# KiCad board Soft_Power_Switch_panelized.kicad_pcb (continued)
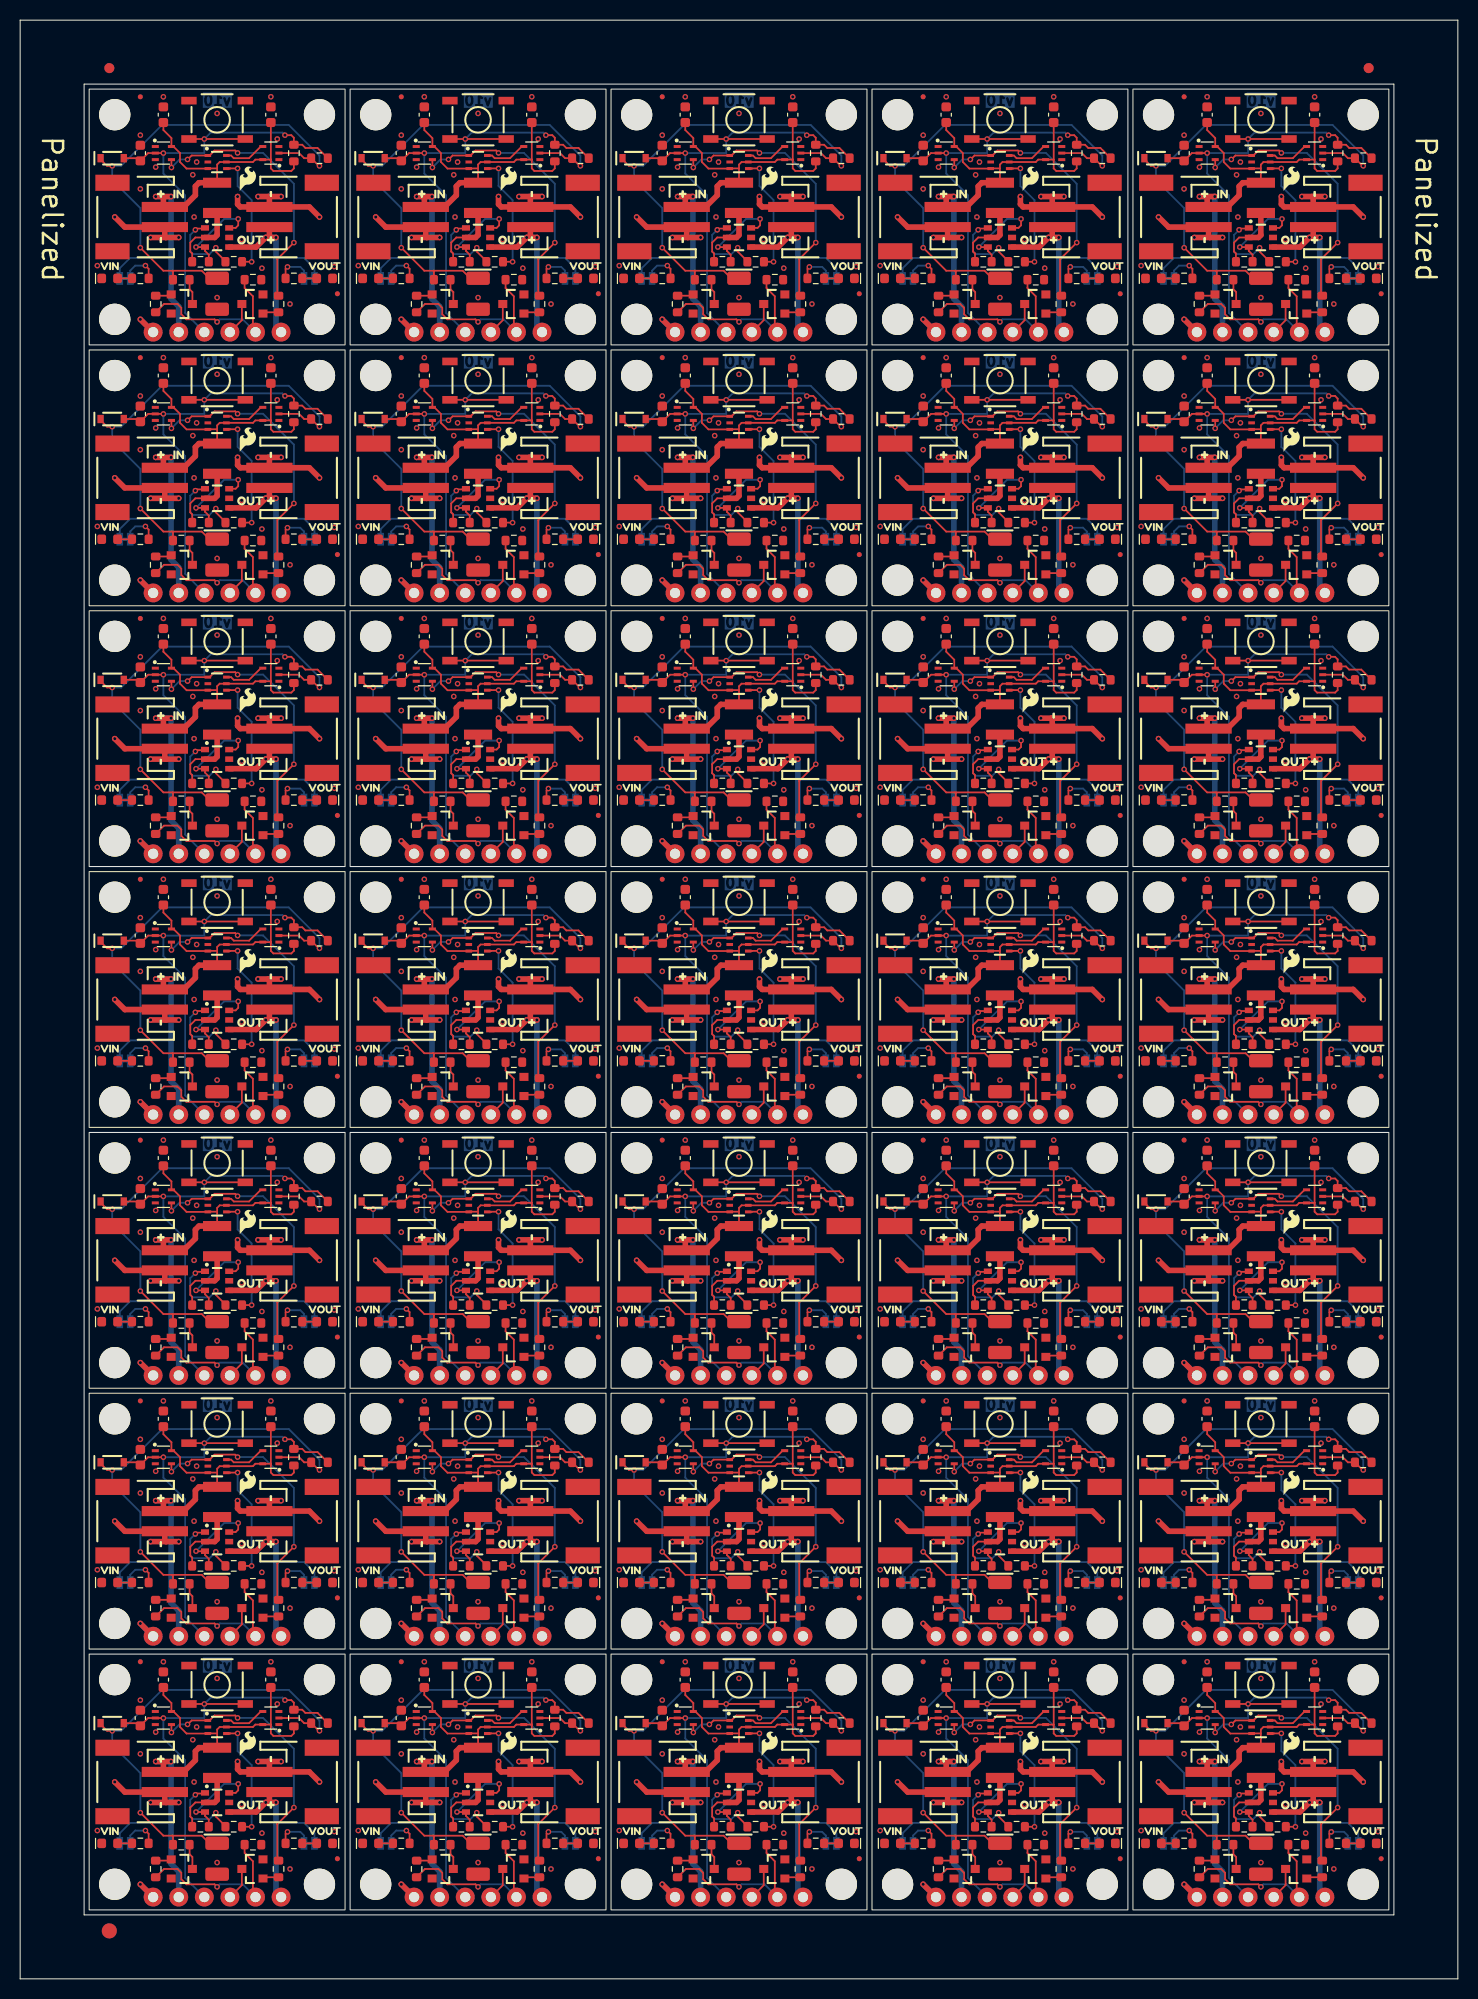
[diagram p0: board, top side]
## Routing (per net, layer and track width the routed paths; a pad name or vN(x,y) marks a point on that pad's centre or on a via; arc(x,y) is an arc through that point) (continued)
Net-(JP2-A): length 132.6
  Top w0.178: v1(104.24,92.3) 104.04,92.11 104.04,91.15 ; R4#27.1 52.25,92.11 v1(52.44,92.3) ; v1(104.24,144.1) 104.04,143.91 104.04,142.95 ; R4#15.1 26.34,66.21 v1(26.53,66.4) ; v1(130.13,170) 129.94,169.81 129.94,168.85 ; R4#26.1 26.34,40.31 v1(26.53,40.5) ; 129.94,65.25 129.94,66.21 v1(130.13,66.4) ; v1(26.53,144.1) 26.34,143.91 R4#9.1 ; v1(52.44,40.5) 52.25,40.31 R4#35.1 ; R4#5.1 26.34,169.81 v1(26.53,170) ; R4#21.1 78.15,14.41 v1(78.34,14.6) ; v1(78.34,170) 78.15,169.81 R4#13.1 ; v1(104.24,14.6) 104.04,14.41 104.04,13.45 ; v1(130.13,92.3) 129.94,92.11 129.94,91.15 ; v1(104.24,66.4) 104.04,66.21 104.04,65.25 ; R4#7.1 78.15,40.31 v1(78.34,40.5) ; R4#34.1 26.34,92.11 v1(26.53,92.3) ; v1(52.44,14.6) 52.25,14.41 R4#18.1 ; 129.94,39.35 129.94,40.31 v1(130.13,40.5) ; v1(52.44,66.4) 52.25,66.21 R4#10.1 ; v1(104.24,40.5) 104.04,40.31 104.04,39.35 ; v1(52.44,118.2) 52.25,118.01 R4#20.1 ; v1(78.34,118.2) 78.15,118.01 R4.1 ; v1(26.53,14.6) 26.34,14.41 R4#6.1 ; v1(130.13,14.6) 129.94,14.41 129.94,13.45 ; 129.94,117.05 129.94,118.01 v1(130.13,118.2) ; v1(52.44,170) 52.25,169.81 R4#19.1 ; 104.04,168.85 104.04,169.81 v1(104.24,170) ; v1(78.34,144.1) 78.15,143.91 R4#3.1 ; 104.04,117.05 104.04,118.01 v1(104.24,118.2) ; v1(52.44,144.1) 52.25,143.91 R4#12.1 ; R4#8.1 78.15,66.21 v1(78.34,66.4) ; v1(26.53,118.2) 26.34,118.01 R4#31.1 ; v1(78.34,92.3) 78.15,92.11 R4#30.1 ; v1(130.13,144.1) 129.94,143.91 129.94,142.95
  Bottom w0.178: JP2#25.1 54.07,169.63 53.71,170 v1(52.44,170) ; JP2#28.1 131.77,40.13 131.41,40.5 v1(130.13,40.5) ; JP2#23.1 131.77,143.73 131.41,144.1 v1(130.13,144.1) ; v1(26.53,170) 27.81,170 28.17,169.63 JP2#19.1 ; JP2#12.1 105.87,91.93 105.5,92.3 v1(104.24,92.3) ; v1(52.44,40.5) 53.71,40.5 54.07,40.13 JP2.1 ; v1(52.44,66.4) 53.71,66.4 54.07,66.03 JP2#7.1 ; JP2#29.1 105.87,40.13 105.5,40.5 v1(104.24,40.5) ; v1(78.34,40.5) 79.6,40.5 79.97,40.13 JP2#32.1 ; v1(130.13,170) 131.41,170 131.77,169.63 JP2#6.1 ; v1(78.34,144.1) 79.6,144.1 79.97,143.73 JP2#27.1 ; JP2#11.1 105.87,143.73 105.5,144.1 v1(104.24,144.1) ; JP2#21.1 105.87,117.83 105.5,118.2 v1(104.24,118.2) ; JP2#22.1 79.97,91.93 79.6,92.3 v1(78.34,92.3) ; v1(52.44,92.3) 53.71,92.3 54.07,91.93 JP2#26.1 ; JP2#34.1 105.87,14.23 105.5,14.6 v1(104.24,14.6) ; JP2#9.1 79.97,117.83 79.6,118.2 v1(78.34,118.2) ; JP2#17.1 54.07,117.83 53.71,118.2 v1(52.44,118.2) ; JP2#13.1 131.77,14.23 131.41,14.6 v1(130.13,14.6) ; JP2#3.1 28.17,143.73 27.81,144.1 v1(26.53,144.1) ; JP2#20.1 54.07,14.23 53.71,14.6 v1(52.44,14.6) ; v1(130.13,92.3) 131.41,92.3 131.77,91.93 JP2#24.1 ; JP2#4.1 105.87,66.03 105.5,66.4 v1(104.24,66.4) ; JP2#18.1 79.97,14.23 79.6,14.6 v1(78.34,14.6) ; v1(104.24,170) 105.5,170 105.87,169.63 JP2#31.1 ; JP2#2.1 28.17,66.03 27.81,66.4 v1(26.53,66.4) ; v1(52.44,144.1) 53.71,144.1 54.07,143.73 JP2#8.1 ; JP2#16.1 28.17,40.13 27.81,40.5 v1(26.53,40.5) ; v1(130.13,118.2) 131.41,118.2 131.77,117.83 JP2#33.1 ; v1(26.53,92.3) 27.81,92.3 28.17,91.93 JP2#30.1 ; v1(130.13,66.4) 131.41,66.4 131.77,66.03 JP2#10.1 ; JP2#14.1 28.17,14.23 27.81,14.6 v1(26.53,14.6) ; v1(78.34,66.4) 79.6,66.4 79.97,66.03 JP2#5.1 ; JP2#15.1 28.17,117.83 27.81,118.2 v1(26.53,118.2) ; v1(78.34,170) 79.6,170 79.97,169.63 JP2#35.1
Net-(Q1-D): length 88.4
  Top w0.178: Q1#14.3 42.99,115.7 42.72,115.97 R5#4.2 ; Q1#35.3 94.79,115.7 94.52,115.97 94.52,116.93 ; R5#17.2 42.72,90.08 42.99,89.8 Q1.3 ; 94.52,168.73 94.52,167.78 94.79,167.5 Q1#33.3 ; Q1#32.3 94.79,89.8 94.52,90.08 94.52,91.03 ; R5#13.2 16.82,12.38 17.09,12.1 Q1#15.3 ; R5#10.2 42.72,64.17 42.99,63.9 Q1#34.3 ; R5#31.2 42.72,38.28 42.99,38 Q1#26.3 ; 120.42,168.73 120.42,167.78 120.69,167.5 Q1#16.3 ; Q1#21.3 17.09,89.8 16.82,90.08 R5#19.2 ; Q1#22.3 42.99,12.1 42.72,12.38 R5#5.2 ; Q1#28.3 120.69,12.1 120.42,12.38 120.42,13.33 ; 94.52,39.23 94.52,38.28 94.79,38 Q1#5.3 ; R5#28.2 16.82,115.97 17.09,115.7 Q1#17.3 ; Q1#3.3 68.89,12.1 68.62,12.38 R5#34.2 ; 94.52,142.83 94.52,141.88 94.79,141.6 Q1#25.3 ; R5#18.2 16.82,64.17 17.09,63.9 Q1#12.3 ; Q1#30.3 68.89,167.5 68.62,167.78 R5#33.2 ; 120.42,91.03 120.42,90.08 120.69,89.8 Q1#2.3 ; R5#16.2 16.82,167.78 17.09,167.5 Q1#7.3 ; Q1#8.3 68.89,63.9 68.62,64.17 R5#2.2 ; Q1#18.3 94.79,12.1 94.52,12.38 94.52,13.33 ; R5#22.2 42.72,167.78 42.99,167.5 Q1#4.3 ; Q1#24.3 120.69,38 120.42,38.28 120.42,39.23 ; 120.42,65.13 120.42,64.17 120.69,63.9 Q1#13.3 ; R5#29.2 16.82,141.88 17.09,141.6 Q1#6.3 ; 120.42,116.93 120.42,115.97 120.69,115.7 Q1#29.3 ; Q1#27.3 120.69,141.6 120.42,141.88 120.42,142.83 ; Q1#20.3 68.89,141.6 68.62,141.88 R5#25.2 ; Q1#23.3 17.09,38 16.82,38.28 R5.2 ; Q1#19.3 94.79,63.9 94.52,64.17 94.52,65.13 ; R5#30.2 42.72,141.88 42.99,141.6 Q1#11.3 ; R5#26.2 68.62,115.97 68.89,115.7 Q1#10.3 ; Q1#31.3 68.89,38 68.62,38.28 R5#3.2 ; R5#24.2 68.62,90.08 68.89,89.8 Q1#9.3
Net-(Q1-G): length 55.7
  Top w0.178: Q1#13.1 118.47,63.54 R6#9.1 ; Q1#22.1 40.77,11.74 R6#8.1 ; Q1#9.1 66.67,89.44 65.25,89.44 ; Q1#17.1 14.87,115.34 R6#12.1 ; Q1#28.1 118.47,11.74 R6#15.1 ; Q1#10.1 66.67,115.34 R6.1 ; Q1#23.1 14.87,37.64 13.45,37.64 ; Q1#32.1 92.57,89.44 91.15,89.44 ; R6#5.1 92.57,63.54 Q1#19.1 ; R6#33.1 118.47,141.24 Q1#27.1 ; Q1#21.1 14.87,89.44 13.45,89.44 ; Q1.1 40.77,89.44 39.35,89.44 ; R6#24.1 92.57,141.24 Q1#25.1 ; R6#3.1 66.67,11.74 Q1#3.1 ; Q1#11.1 40.77,141.24 R6#13.1 ; R6#26.1 14.87,141.24 Q1#6.1 ; 117.05,89.44 118.47,89.44 Q1#2.1 ; R6#6.1 66.67,141.24 Q1#20.1 ; Q1#33.1 92.57,167.14 R6#19.1 ; R6#27.1 118.47,115.34 Q1#29.1 ; R6#21.1 92.57,115.34 Q1#35.1 ; Q1#8.1 66.67,63.54 R6#7.1 ; 65.25,37.64 66.67,37.64 Q1#31.1 ; R6#18.1 14.87,167.14 Q1#7.1 ; Q1#24.1 118.47,37.64 117.05,37.64 ; Q1#5.1 92.57,37.64 91.15,37.64 ; Q1#15.1 14.87,11.74 R6#25.1 ; 39.35,37.64 40.77,37.64 Q1#26.1 ; R6#11.1 92.57,11.74 Q1#18.1 ; R6#14.1 40.77,115.34 Q1#14.1 ; Q1#4.1 40.77,167.14 R6#32.1 ; Q1#30.1 66.67,167.14 R6#20.1 ; Q1#16.1 118.47,167.14 R6#35.1 ; Q1#34.1 40.77,63.54 R6#29.1 ; Q1#12.1 14.87,63.54 R6#28.1
Net-(Q2-G): length 55.7
  Top w0.178: R8#18.2 101.93,35.99 Q2#19.1 ; Q2#26.1 24.23,35.99 R8#23.2 ; R8#8.2 101.93,10.09 Q2#4.1 ; Q2#9.1 101.93,165.49 103.35,165.49 ; R8#24.2 127.83,35.99 Q2.1 ; Q2#10.1 24.23,165.49 25.65,165.49 ; R8#12.2 50.13,61.89 Q2#25.1 ; Q2#6.1 76.03,35.99 R8#10.2 ; R8#9.2 50.13,113.69 Q2#30.1 ; R8#3.2 127.83,87.79 Q2#7.1 ; R8#6.2 50.13,10.09 Q2#34.1 ; Q2#28.1 24.23,87.79 R8#13.2 ; 51.55,165.49 50.13,165.49 Q2#15.1 ; Q2#16.1 76.03,139.59 R8#31.2 ; R8#28.2 50.13,87.79 Q2#17.1 ; R8#26.2 76.03,87.79 Q2#23.1 ; R8#11.2 101.93,113.69 Q2#12.1 ; Q2#32.1 101.93,61.89 R8#35.2 ; 77.45,165.49 76.03,165.49 Q2#21.1 ; R8#5.2 50.13,35.99 Q2#29.1 ; R8#19.2 50.13,139.59 Q2#8.1 ; Q2#5.1 101.93,87.79 R8#32.2 ; R8#21.2 24.23,139.59 Q2#3.1 ; Q2#27.1 24.23,113.69 R8#34.2 ; R8#33.2 127.83,10.09 Q2#31.1 ; R8#30.2 76.03,61.89 Q2#24.1 ; Q2#2.1 76.03,10.09 R8#17.2 ; Q2#11.1 127.83,139.59 R8#22.2 ; Q2#14.1 127.83,61.89 R8.2 ; Q2#35.1 101.93,139.59 R8#2.2 ; Q2#13.1 76.03,113.69 R8#27.2 ; R8#7.2 127.83,113.69 Q2#20.1 ; R8#4.2 24.23,10.09 Q2#33.1 ; R8#29.2 24.23,61.89 Q2#18.1 ; Q2#22.1 127.83,165.49 129.25,165.49
Net-(Q3A-D): length 332.5
  Top w0.178: v1(121.05,42.47) 121.95,42.47 Q3#28.3 121.95,42.08 122.32,41.7 R10#16.1 ; v1(99.34,19.36) 99.34,18.72 99.09,18.47 Q3#2.6 ; v1(73.44,45.26) 73.44,44.62 73.19,44.37 Q3#14.6 ; Q3#21.6 124.99,70.27 125.24,70.52 v1(125.24,71.16) ; v1(95.15,42.47) 96.05,42.47 Q3#11.3 96.05,42.08 96.42,41.7 R10#4.1 ; v1(17.45,120.17) 18.35,120.17 Q3#17.3 18.35,119.78 18.72,119.4 R10#2.1 ; v1(73.44,71.16) 73.44,70.52 73.19,70.27 Q3#16.6 ; R10#35.1 18.72,171.2 18.35,171.58 Q3#24.3 18.35,171.97 v1(17.45,171.97) ; v1(21.64,45.26) 21.64,44.62 21.39,44.37 Q3#35.6 ; Q3#25.6 124.99,147.97 125.24,148.22 v1(125.24,148.86) ; Q3#29.6 73.19,96.17 73.44,96.42 v1(73.44,97.06) ; R10#17.1 44.62,67.6 44.25,67.98 Q3#19.3 44.25,68.37 v1(43.35,68.37) ; R10.1 96.42,119.4 96.05,119.78 Q3#18.3 96.05,120.17 v1(95.15,120.17) ; Q3#23.6 73.19,147.97 73.44,148.22 v1(73.44,148.86) ; R10#32.1 122.32,145.3 121.95,145.68 Q3#25.3 121.95,146.07 v1(121.05,146.07) ; R10#31.1 96.42,67.6 96.05,67.98 Q3#34.3 96.05,68.37 v1(95.15,68.37) ; v1(121.05,171.97) 121.95,171.97 Q3#3.3 121.95,171.58 122.32,171.2 R10#24.1 ; v1(73.44,122.96) 73.44,122.32 73.19,122.07 Q3#10.6 ; v1(17.45,42.47) 18.35,42.47 Q3#35.3 18.35,42.08 18.72,41.7 R10#15.1 ; v1(69.25,94.27) 70.15,94.27 Q3#29.3 70.15,93.88 70.52,93.5 R10#22.1 ; v1(73.44,19.36) 73.44,18.72 73.19,18.47 Q3#33.6 ; v1(69.25,16.57) 70.15,16.57 Q3#33.3 70.15,16.18 70.52,15.8 R10#3.1 ; v1(99.34,71.16) 99.34,70.52 99.09,70.27 Q3#34.6 ; v1(21.64,71.16) 21.64,70.52 21.39,70.27 Q3#20.6 ; v1(95.15,16.57) 96.05,16.57 Q3#2.3 96.05,16.18 96.42,15.8 R10#12.1 ; R10#13.1 70.52,145.3 70.15,145.68 Q3#23.3 70.15,146.07 v1(69.25,146.07) ; Q3#18.6 99.09,122.07 99.34,122.32 v1(99.34,122.96) ; Q3#26.6 21.39,147.97 21.64,148.22 v1(21.64,148.86) ; R10#25.1 44.62,15.8 44.25,16.18 Q3#31.3 44.25,16.57 v1(43.35,16.57) ; R10#10.1 122.32,67.6 121.95,67.98 Q3#21.3 121.95,68.37 v1(121.05,68.37) ; R10#14.1 96.42,145.3 96.05,145.68 Q3#8.3 96.05,146.07 v1(95.15,146.07) ; Q3#32.6 47.29,44.37 47.54,44.62 v1(47.54,45.26) ; Q3#17.6 21.39,122.07 21.64,122.32 v1(21.64,122.96) ; R10#9.1 44.62,119.4 44.25,119.78 Q3#6.3 44.25,120.17 v1(43.35,120.17) ; v1(43.35,42.47) 44.25,42.47 Q3#32.3 44.25,42.08 44.62,41.7 R10#6.1 ; v1(99.34,148.86) 99.34,148.22 99.09,147.97 Q3#8.6 ; v1(47.54,71.16) 47.54,70.52 47.29,70.27 Q3#19.6 ; v1(43.35,146.07) 44.25,146.07 Q3#7.3 44.25,145.68 44.62,145.3 R10#33.1 ; Q3#15.6 73.19,173.87 73.44,174.12 v1(73.44,174.76) ; v1(99.34,45.26) 99.34,44.62 99.09,44.37 Q3#11.6 ; v1(47.54,174.76) 47.54,174.12 47.29,173.87 Q3#13.6 ; v1(21.64,19.36) 21.64,18.72 21.39,18.47 Q3.6 ; v1(125.24,174.76) 125.24,174.12 124.99,173.87 Q3#3.6 ; R10#29.1 96.42,171.2 96.05,171.58 Q3#30.3 96.05,171.97 v1(95.15,171.97) ; v1(95.15,94.27) 96.05,94.27 Q3#27.3 96.05,93.88 96.42,93.5 R10#19.1 ; v1(47.54,148.86) 47.54,148.22 47.29,147.97 Q3#7.6 ; R10#11.1 44.62,171.2 44.25,171.58 Q3#13.3 44.25,171.97 v1(43.35,171.97) ; R10#21.1 70.52,41.7 70.15,42.08 Q3#14.3 70.15,42.47 v1(69.25,42.47) ; Q3#30.6 99.09,173.87 99.34,174.12 v1(99.34,174.76) ; v1(125.24,19.36) 125.24,18.72 124.99,18.47 Q3#9.6 ; v1(17.45,146.07) 18.35,146.07 Q3#26.3 18.35,145.68 18.72,145.3 R10#23.1 ; v1(17.45,68.37) 18.35,68.37 Q3#20.3 18.35,67.98 18.72,67.6 R10#30.1 ; R10#7.1 18.72,93.5 18.35,93.88 Q3#4.3 18.35,94.27 v1(17.45,94.27) ; v1(43.35,94.27) 44.25,94.27 Q3#22.3 44.25,93.88 44.62,93.5 R10#5.1 ; v1(47.54,19.36) 47.54,18.72 47.29,18.47 Q3#31.6 ; Q3#12.6 124.99,96.17 125.24,96.42 v1(125.24,97.06) ; R10#20.1 70.52,119.4 70.15,119.78 Q3#10.3 70.15,120.17 v1(69.25,120.17) ; v1(121.05,120.17) 121.95,120.17 Q3#5.3 121.95,119.78 122.32,119.4 R10#28.1 ; Q3#5.6 124.99,122.07 125.24,122.32 v1(125.24,122.96) ; Q3#6.6 47.29,122.07 47.54,122.32 v1(47.54,122.96) ; Q3#22.6 47.29,96.17 47.54,96.42 v1(47.54,97.06) ; v1(121.05,94.27) 121.95,94.27 Q3#12.3 121.95,93.88 122.32,93.5 R10#26.1 ; Q3#24.6 21.39,173.87 21.64,174.12 v1(21.64,174.76) ; Q3#28.6 124.99,44.37 125.24,44.62 v1(125.24,45.26) ; v1(17.45,16.57) 18.35,16.57 Q3.3 18.35,16.18 18.72,15.8 R10#27.1 ; Q3#27.6 99.09,96.17 99.34,96.42 v1(99.34,97.06) ; R10#8.1 122.32,15.8 121.95,16.18 Q3#9.3 121.95,16.57 v1(121.05,16.57) ; v1(69.25,171.97) 70.15,171.97 Q3#15.3 70.15,171.58 70.52,171.2 R10#34.1 ; v1(21.64,97.06) 21.64,96.42 21.39,96.17 Q3#4.6 ; v1(69.25,68.37) 70.15,68.37 Q3#16.3 70.15,67.98 70.52,67.6 R10#18.1
  Bottom w0.178: v1(17.45,42.47) 20.25,45.26 v1(21.64,45.26) ; v1(73.44,19.36) 72.05,19.36 v1(69.25,16.57) ; v1(69.25,42.47) 72.05,45.26 v1(73.44,45.26) ; v1(69.25,120.17) 72.05,122.96 v1(73.44,122.96) ; v1(125.24,71.16) 123.85,71.16 v1(121.05,68.37) ; v1(99.34,45.26) 97.95,45.26 v1(95.15,42.47) ; v1(73.44,71.16) 72.05,71.16 v1(69.25,68.37) ; v1(121.05,171.97) 123.85,174.76 v1(125.24,174.76) ; v1(21.64,122.96) 20.25,122.96 v1(17.45,120.17) ; v1(17.45,146.07) 20.25,148.86 v1(21.64,148.86) ; v1(121.05,94.27) 123.85,97.06 v1(125.24,97.06) ; v1(17.45,68.37) 20.25,71.16 v1(21.64,71.16) ; v1(95.15,68.37) 97.95,71.16 v1(99.34,71.16) ; v1(47.54,97.06) 46.15,97.06 v1(43.35,94.27) ; v1(69.25,94.27) 72.05,97.06 v1(73.44,97.06) ; v1(47.54,148.86) 46.15,148.86 v1(43.35,146.07) ; v1(73.44,148.86) 72.05,148.86 v1(69.25,146.07) ; v1(73.44,174.76) 72.05,174.76 v1(69.25,171.97) ; v1(121.05,42.47) 123.85,45.26 v1(125.24,45.26) ; v1(99.34,19.36) 97.95,19.36 v1(95.15,16.57) ; v1(99.34,97.06) 97.95,97.06 v1(95.15,94.27) ; v1(99.34,148.86) 97.95,148.86 v1(95.15,146.07) ; v1(43.35,16.57) 46.15,19.36 v1(47.54,19.36) ; v1(43.35,120.17) 46.15,122.96 v1(47.54,122.96) ; v1(21.64,97.06) 20.25,97.06 v1(17.45,94.27) ; v1(17.45,16.57) 20.25,19.36 v1(21.64,19.36) ; v1(121.05,146.07) 123.85,148.86 v1(125.24,148.86) ; v1(99.34,122.96) 97.95,122.96 v1(95.15,120.17) ; v1(21.64,174.76) 20.25,174.76 v1(17.45,171.97) ; v1(121.05,120.17) 123.85,122.96 v1(125.24,122.96) ; v1(43.35,42.47) 46.15,45.26 v1(47.54,45.26) ; v1(121.05,16.57) 123.85,19.36 v1(125.24,19.36) ; v1(95.15,171.97) 97.95,174.76 v1(99.34,174.76) ; v1(43.35,68.37) 46.15,71.16 v1(47.54,71.16) ; v1(47.54,174.76) 46.15,174.76 v1(43.35,171.97)
Net-(Q3A-G): length 283.7
  Top w0.178: Q3#33.1 70.09,18.41 69.32,18.41 v1(69.19,18.28) ; v1(95.09,18.28) 95.22,18.41 95.99,18.41 Q3#2.1 ; R9#5.1 46.28,41.07 45.32,42.02 v1(45.32,42.4) ; v1(95.09,44.18) 95.22,44.31 95.99,44.31 Q3#11.1 ; v1(120.99,147.78) 121.12,147.91 121.89,147.91 Q3#25.1 ; R9#25.1 20.38,15.17 19.42,16.12 v1(19.42,16.5) ; v1(69.19,147.78) 69.32,147.91 70.09,147.91 Q3#23.1 ; R9#19.1 123.98,15.17 123.02,16.12 v1(123.02,16.5) ; R9#24.1 72.18,170.57 71.22,171.52 v1(71.22,171.9) ; R9#34.1 72.18,92.87 71.22,93.82 v1(71.22,94.2) ; v1(43.29,44.18) 43.42,44.31 44.19,44.31 Q3#32.1 ; Q3#27.1 95.99,96.11 95.22,96.11 v1(95.09,95.98) ; v1(97.12,42.4) 97.12,42.02 98.08,41.07 R9#21.1 ; v1(69.19,70.08) 69.32,70.21 70.09,70.21 Q3#16.1 ; v1(97.12,146) 97.12,145.62 98.08,144.67 R9#3.1 ; v1(17.39,44.18) 17.52,44.31 18.29,44.31 Q3#35.1 ; v1(120.99,70.08) 121.12,70.21 121.89,70.21 Q3#21.1 ; R9#6.1 20.38,66.97 19.42,67.92 v1(19.42,68.3) ; R9#32.1 123.98,118.77 123.02,119.72 v1(123.02,120.1) ; Q3#31.1 44.19,18.41 43.42,18.41 v1(43.29,18.28) ; v1(95.09,147.78) 95.22,147.91 95.99,147.91 Q3#8.1 ; R9#4.1 20.38,92.87 19.42,93.82 v1(19.42,94.2) ; v1(71.22,146) 71.22,145.62 72.18,144.67 R9#20.1 ; v1(71.22,42.4) 71.22,42.02 72.18,41.07 R9#7.1 ; v1(71.22,68.3) 71.22,67.92 72.18,66.97 R9#14.1 ; v1(123.02,42.4) 123.02,42.02 123.98,41.07 R9#13.1 ; v1(45.32,16.5) 45.32,16.12 46.28,15.17 R9#28.1 ; v1(69.19,121.88) 69.32,122.01 70.09,122.01 Q3#10.1 ; Q3#22.1 44.19,96.11 43.42,96.11 v1(43.29,95.98) ; Q3#12.1 121.89,96.11 121.12,96.11 v1(120.99,95.98) ; Q3#14.1 70.09,44.31 69.32,44.31 v1(69.19,44.18) ; R9#29.1 20.38,170.57 19.42,171.52 v1(19.42,171.9) ; Q3#18.1 95.99,122.01 95.22,122.01 v1(95.09,121.88) ; v1(45.32,171.9) 45.32,171.52 46.28,170.57 R9#33.1 ; v1(123.02,146) 123.02,145.62 123.98,144.67 R9#22.1 ; v1(69.19,95.98) 69.32,96.11 70.09,96.11 Q3#29.1 ; v1(120.99,44.18) 121.12,44.31 121.89,44.31 Q3#28.1 ; v1(120.99,121.88) 121.12,122.01 121.89,122.01 Q3#5.1 ; v1(17.39,70.08) 17.52,70.21 18.29,70.21 Q3#20.1 ; v1(69.19,173.68) 69.32,173.81 70.09,173.81 Q3#15.1 ; Q3#4.1 18.29,96.11 17.52,96.11 v1(17.39,95.98) ; Q3#24.1 18.29,173.81 17.52,173.81 v1(17.39,173.68) ; R9#23.1 46.28,66.97 45.32,67.92 v1(45.32,68.3) ; v1(43.29,173.68) 43.42,173.81 44.19,173.81 Q3#13.1 ; Q3#9.1 121.89,18.41 121.12,18.41 v1(120.99,18.28) ; R9#2.1 123.98,66.97 123.02,67.92 v1(123.02,68.3) ; R9#8.1 98.08,118.77 97.12,119.72 v1(97.12,120.1) ; v1(71.22,16.5) 71.22,16.12 72.18,15.17 R9#12.1 ; v1(17.39,121.88) 17.52,122.01 18.29,122.01 Q3#17.1 ; v1(17.39,18.28) 17.52,18.41 18.29,18.41 Q3.1 ; R9.1 46.28,118.77 45.32,119.72 v1(45.32,120.1) ; v1(120.99,173.68) 121.12,173.81 121.89,173.81 Q3#3.1 ; R9#17.1 98.08,92.87 97.12,93.82 v1(97.12,94.2) ; v1(97.12,16.5) 97.12,16.12 98.08,15.17 R9#30.1 ; v1(43.29,70.08) 43.42,70.21 44.19,70.21 Q3#19.1 ; v1(19.42,120.1) 19.42,119.72 20.38,118.77 R9#15.1 ; v1(45.32,146) 45.32,145.62 46.28,144.67 R9#35.1 ; R9#18.1 123.98,170.57 123.02,171.52 v1(123.02,171.9) ; v1(43.29,121.88) 43.42,122.01 44.19,122.01 Q3#6.1 ; R9#11.1 72.18,118.77 71.22,119.72 v1(71.22,120.1) ; R9#31.1 123.98,92.87 123.02,93.82 v1(123.02,94.2) ; v1(95.09,173.68) 95.22,173.81 95.99,173.81 Q3#30.1 ; v1(97.12,171.9) 97.12,171.52 98.08,170.57 R9#27.1 ; v1(45.32,94.2) 45.32,93.82 46.28,92.87 R9#16.1 ; Q3#7.1 44.19,147.91 43.42,147.91 v1(43.29,147.78) ; R9#10.1 20.38,144.67 19.42,145.62 v1(19.42,146) ; v1(95.09,70.08) 95.22,70.21 95.99,70.21 Q3#34.1 ; Q3#26.1 18.29,147.91 17.52,147.91 v1(17.39,147.78) ; R9#9.1 20.38,41.07 19.42,42.02 v1(19.42,42.4) ; v1(97.12,68.3) 97.12,67.92 98.08,66.97 R9#26.1
  Bottom w0.178: v1(123.02,16.5) 122.39,15.87 120.74,15.87 120.48,16.12 120.48,17.77 v1(120.99,18.28) ; v1(97.12,42.4) 96.49,41.77 94.84,41.77 94.58,42.02 94.58,43.67 v1(95.09,44.18) ; v1(19.42,68.3) 18.79,67.67 17.14,67.67 16.88,67.92 16.88,69.57 v1(17.39,70.08) ; v1(97.12,120.1) 96.49,119.47 94.84,119.47 94.58,119.72 94.58,121.37 v1(95.09,121.88) ; v1(69.19,173.68) 68.68,173.17 68.68,171.52 68.94,171.27 70.59,171.27 v1(71.22,171.9) ; v1(97.12,171.9) 96.49,171.27 94.84,171.27 94.58,171.52 94.58,173.17 v1(95.09,173.68) ; v1(45.32,171.9) 44.69,171.27 43.04,171.27 42.78,171.52 42.78,173.17 v1(43.29,173.68) ; v1(43.29,70.08) 42.78,69.57 42.78,67.92 43.04,67.67 44.69,67.67 v1(45.32,68.3) ; v1(97.12,94.2) 96.49,93.57 94.84,93.57 94.58,93.82 94.58,95.47 v1(95.09,95.98) ; v1(43.29,147.78) 42.78,147.27 42.78,145.62 43.04,145.37 44.69,145.37 v1(45.32,146) ; v1(120.99,95.98) 120.48,95.47 120.48,93.82 120.74,93.57 122.39,93.57 v1(123.02,94.2) ; v1(97.12,68.3) 96.49,67.67 94.84,67.67 94.58,67.92 94.58,69.57 v1(95.09,70.08) ; v1(19.42,42.4) 18.79,41.77 17.14,41.77 16.88,42.02 16.88,43.67 v1(17.39,44.18) ; v1(123.02,146) 122.39,145.37 120.74,145.37 120.48,145.62 120.48,147.27 v1(120.99,147.78) ; v1(19.42,171.9) 18.79,171.27 17.14,171.27 16.88,171.52 16.88,173.17 v1(17.39,173.68) ; v1(45.32,120.1) 44.69,119.47 43.04,119.47 42.78,119.72 42.78,121.37 v1(43.29,121.88) ; v1(69.19,18.28) 68.68,17.77 68.68,16.12 68.94,15.87 70.59,15.87 v1(71.22,16.5) ; v1(17.39,95.98) 16.88,95.47 16.88,93.82 17.14,93.57 18.79,93.57 v1(19.42,94.2) ; v1(69.19,147.78) 68.68,147.27 68.68,145.62 68.94,145.37 70.59,145.37 v1(71.22,146) ; v1(45.32,94.2) 44.69,93.57 43.04,93.57 42.78,93.82 42.78,95.47 v1(43.29,95.98) ; v1(120.99,70.08) 120.48,69.57 120.48,67.92 120.74,67.67 122.39,67.67 v1(123.02,68.3) ; v1(19.42,120.1) 18.79,119.47 17.14,119.47 16.88,119.72 16.88,121.37 v1(17.39,121.88) ; v1(17.39,147.78) 16.88,147.27 16.88,145.62 17.14,145.37 18.79,145.37 v1(19.42,146) ; v1(43.29,18.28) 42.78,17.77 42.78,16.12 43.04,15.87 44.69,15.87 v1(45.32,16.5) ; v1(97.12,16.5) 96.49,15.87 94.84,15.87 94.58,16.12 94.58,17.77 v1(95.09,18.28) ; v1(69.19,70.08) 68.68,69.57 68.68,67.92 68.94,67.67 70.59,67.67 v1(71.22,68.3) ; v1(120.99,121.88) 120.48,121.37 120.48,119.72 120.74,119.47 122.39,119.47 v1(123.02,120.1) ; v1(71.22,94.2) 70.59,93.57 68.94,93.57 68.68,93.82 68.68,95.47 v1(69.19,95.98) ; v1(71.22,120.1) 70.59,119.47 68.94,119.47 68.68,119.72 68.68,121.37 v1(69.19,121.88) ; v1(69.19,44.18) 68.68,43.67 68.68,42.02 68.94,41.77 70.59,41.77 v1(71.22,42.4) ; v1(120.99,44.18) 120.48,43.67 120.48,42.02 120.74,41.77 122.39,41.77 v1(123.02,42.4) ; v1(43.29,44.18) 42.78,43.67 42.78,42.02 43.04,41.77 44.69,41.77 v1(45.32,42.4) ; v1(97.12,146) 96.49,145.37 94.84,145.37 94.58,145.62 94.58,147.27 v1(95.09,147.78) ; v1(123.02,171.9) 122.39,171.27 120.74,171.27 120.48,171.52 120.48,173.17 v1(120.99,173.68) ; v1(19.42,16.5) 18.79,15.87 17.14,15.87 16.88,16.12 16.88,17.77 v1(17.39,18.28)